# Altium PCB A PCB Christmas.PcbDoc (continued)
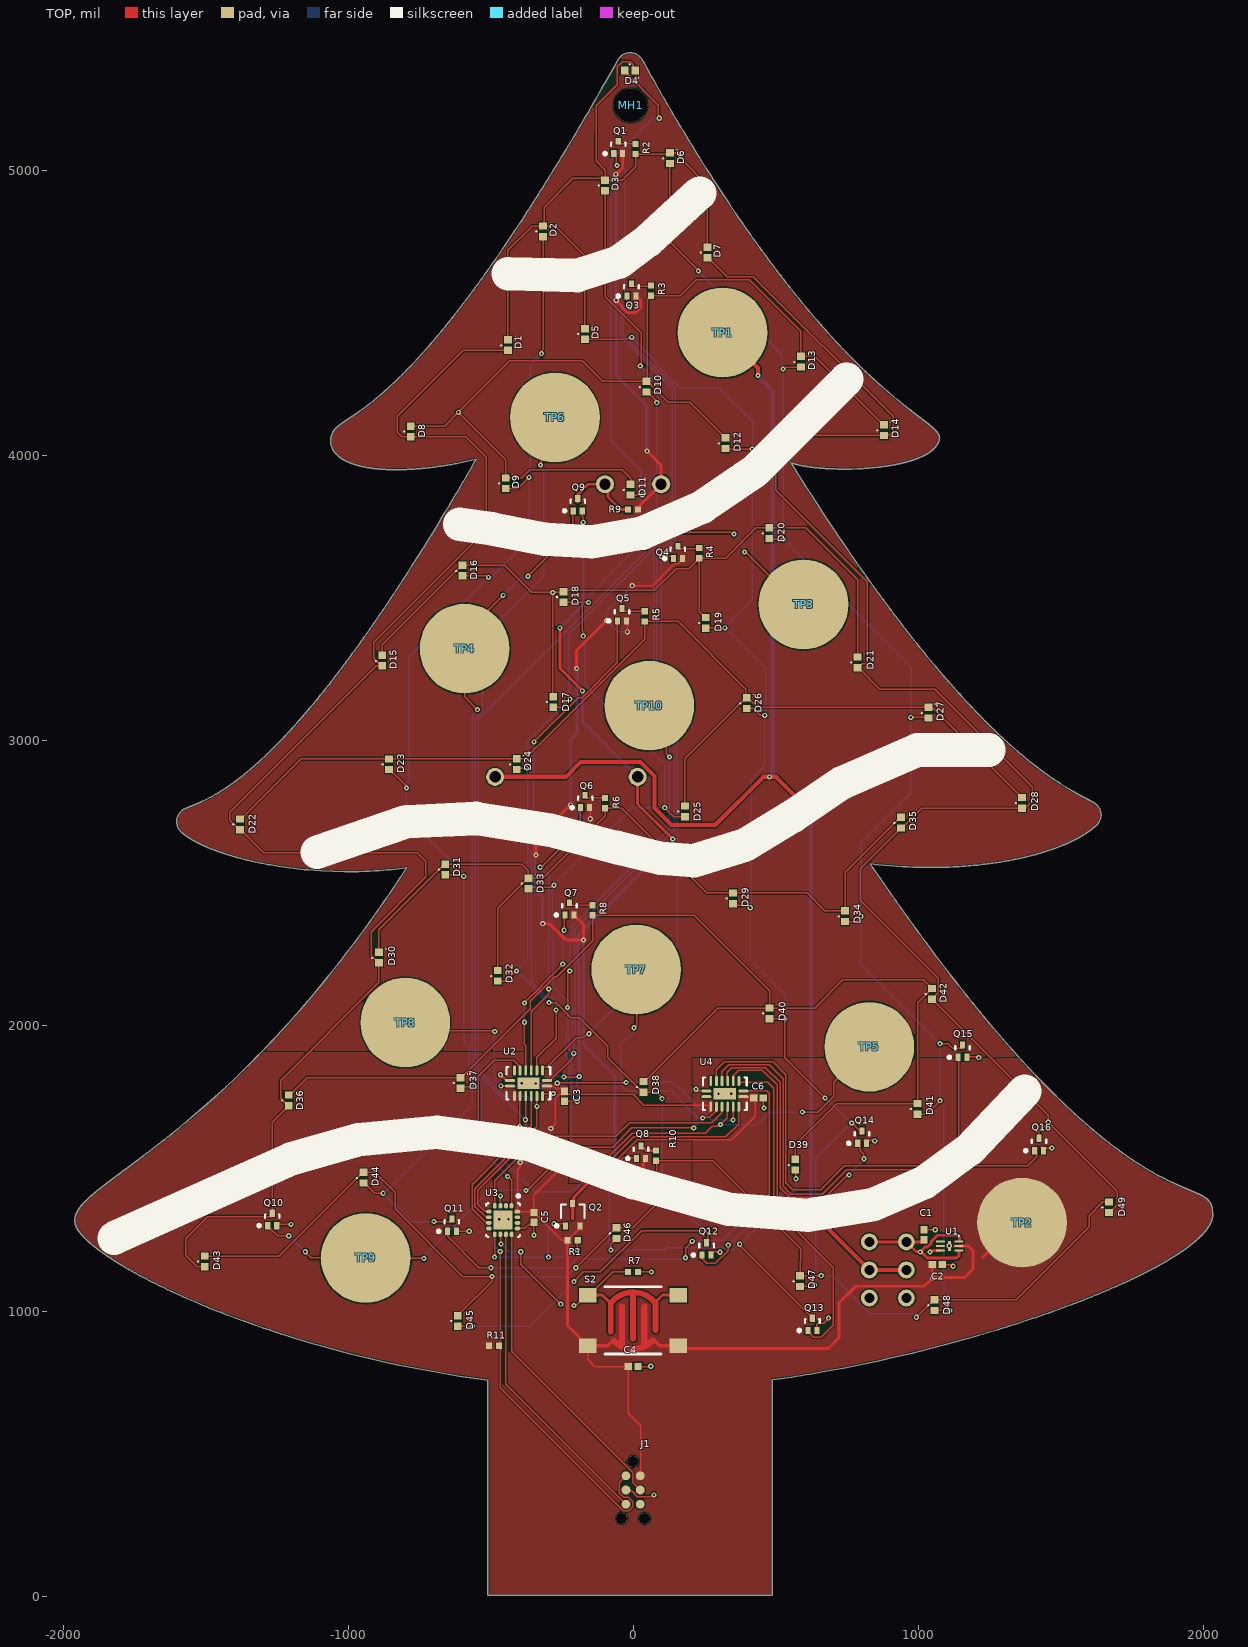
[diagram p0: TOP view]
## Part data
B1: library part 2479, Supplier Part Number=36-2479-ND, Voltage=4.5V, =Manufacturer Part Number=2479, Battery Series=AAA, Cells=3, Mounting Type=TH, Part Number=2479, Series=AAA, Supplier=Digi-Key, V=4.5V
C1 C2: library part CL05A105KO5NNNC, Capacitance=1uF, Manufacturer="Samsung Electro-Mechanics", Package=0402, Supplier Part Number=1276-1067-1-ND, Voltage=16V, Part Number=CL05A105KO5NNNC, Supplier=Digi-Key, Voltage Rating=16V
C3 C4 C5 C6: library part CL05A104KA5NNNC, Capacitance=100nF, Manufacturer="Samsung Electro-Mechanics", Package=0402, Supplier Part Number=1276-1043-1-ND, Voltage=25V, Part Number=CL05A104KA5NNNC, Supplier=Digi-Key, Voltage Rating=25V
D1 D2 D3 D4 D5 D6 D7 D8 D9 D10 D11 D12 D13 D14 D15 D16 D17 D18 D19 D20 D21 D22 D23 D24 D25 D26 D27 D28 D29 D30 D31 D32 D33 D34 D35 D36 D37 D38 D39 D40 D41 D42 D43 D44 D45 D46 D47 D48 D49: library part 16-219AUTD/S3151/TR8, Color=White, Supplier Part Number=1080-1571-1-ND, Colour=White, Forward=2.675V, Manufacturer Part Number=16-219AUTD/S3151/TR8, Mounting Type=SMD, Part Number=16-219AUTD/S3151/TR8, Size="1.00mm L x 0.50mm W", Vf=2.675V
J1: "No Clip 6 Pin Tag Connect", Manufacturer="Tag-Connect LLC", Mounting Type=SM, Part Number=TC2030-PKT-NL, Supplier=Digi-Key, Supplier Part Number="Tag-Connect LLC"
LS1: library part PS1240P02BT, Supplier Part Number=445-2525-1-ND, Voltage=3V, Driver Circuitry="Transducer, Externally Driven", Input Type="Zero-Peak Signal", Manufacturer Part Number=PS1240P02BT, Mounting Type=TH, Part Number=PS1240P02BT, Sound Pressure Level="60dB @ 3V, 10cm", SPL="60dB @ 3V, 10cm", Supplier=Digi-Key, V Max=30V, V Rated=3V
Q1 Q3 Q4 Q5 Q6 Q7 Q8: library part SSM3J35MFV,L3F, Manufacturer="Toshiba Semiconductor and Storage", Package=SOT-723, Supplier Part Number=SSM3J35MFVL3FCT-ND, FET Type=P-CH, Id=100mA, Manufacturer Part Number=SSM3J35MFV,L3F, Part Number=SSM3J35MFV,L3F, Supplier=Digi-Key, Type=P-CH, Vds=20V, Vgs (Max)=8V
Q2: library part SSM3J36TU,LF, Manufacturer="Toshiba Semiconductor and Storage", Package="3-SMD, Flat Leads", Supplier Part Number=SSM3J36TULFCT-ND, FET Type=P-CH, Id=330mA, Manufacturer Part Number=SSM3J36TU,LF, Part Number=SSM3J36TU,LF, Supplier=Digi-Key, Type=P-CH, Vds=20V, Vgs (Max)=8V
Q9 Q10 Q11 Q12 Q13 Q14 Q15 Q16: library part RUM001L02T2CL, Manufacturer="Rohm Semiconductor", Package=SOT-723, Supplier Part Number=RUM001L02T2CLCT-ND, FET Type=N-CH, Id=100mA, Manufacturer Part Number=RUM001L02T2CL, Part Number=RUM001L02T2CL, Supplier=Digi-Key, Type=N-CH, Vds=20V, Vgs (Max)=8V
R1 R7: library part RMCF0402FT10K0, Manufacturer="Stackpole Electronics Inc", Package=0402, Resistance=10kΩ, Supplier Part Number=RMCF0402FT10K0CT-ND, Package/Footprint=0402, Part Number=RMCF0402FT10K0, Supplier=Digi-Key
R2 R3 R4 R5 R6 R8 R10: library part ERJ-2RKF1240X, Manufacturer="Panasonic Electronic Components", Package=0402, Resistance=124Ω, Supplier Part Number=P124LCT-ND, Package/Footprint=0402, Part Number=ERJ-2RKF1240X, Supplier=Digi-Key
R9: library part RC0402FR-071RL, Manufacturer=Yageo, Package=0402, Resistance=1kΩ, Supplier Part Number=311-1.00LRCT-ND, Package/Footprint=0402, Part Number=RC0402FR-071RL, Supplier=Digi-Key
R11: library part RC0402FR-0710KL, "RES SMD 10K OHM 1% 1/16W 0402", Case Code (Imperial)=0402, Case Code (Metric)=1005, Manufacturer=Yageo, Max Operating Temperature=155°C, Min Operating Temperature=-55°C, Power Rating=62.5mW, Supplier Part Number 1=311-10.0KLRCT-ND, Temperature Coefficient=100ppm/°C, Tolerance=1%, Voltage Rating=50V, Case/Package=0402, Composition="Thick Film", Depth=0.5mm, Height=0.32mm, Lead Free="Lead Free", Lead Pitch=0.2mm, Length=1mm, Manufacturer Part Number=RC0402FR-0710KL, Military Standard=Not, Packaging="Tape and Reel", Part Number=RC0402FR-0710KL, Pricing 1="1=0.1, 10=0.014, 100=0.0056, 1000=0.0025, 2500=0.0022, 5000=0.0018 (USD)", REACH SVHC="No SVHC", Resistance=10k, Stock 1=14034353, Supplier 1=Digi-Key, Width=0.5mm
S1: Supplier Part Number=401-2001-ND, Function="Slide Switch", Manufacturer Part Number=JS202011CQN, Mouting Type=TH, Part Number=JS202011CQN, Supplier=Digi-Key
S2: library part PTS645SK50SMTR92LFS, "SWITCH TACTILE SPST-NO 0.05A 12V", Case/Package=SMD/SMT, Colour=Black, Contact Resistance=100mR, Current Rating=50mA, Manufacturer="ITT /  C&K Components", Manufacturer Part Number=PTS645SM43SMTR92LFS, Max Operating Temperature=60°C, Max Voltage Rating (DC)=12V, Min Operating Temperature=-20°C, Operating Force=160gf, Package Quantity=1000, Supplier Part Number=CKN9087CT-ND, Supplier Part Number 1=CKN9112CT-ND, Actuator Length=0.85mm, Actuator Material=Nylon,Polyamide, ComponentLink1Description=https://datasheet.ciiva.com/29903/getdatasheetpartid-786341-29903846.pdf, ComponentLink1URL=https://datasheet.ciiva.com/29903/getdatasheetpartid-786341-29903846.pdf, ComponentLink2Description=https://datasheet.ciiva.com/14920/pts645-14920733.pdf, ComponentLink2URL=https://datasheet.ciiva.com/14920/pts645-14920733.pdf, ComponentLink3Description=https://datasheet.ciiva.com/14920/pts645-14920734.pdf, ComponentLink3URL=https://datasheet.ciiva.com/14920/pts645-14920734.pdf, ComponentLink4Description=https://datasheet.ciiva.com/14920/pts645-14920735.pdf, ComponentLink4URL=https://datasheet.ciiva.com/14920/pts645-14920735.pdf, ComponentLink5Description=https://datasheet.ciiva.com/29931/getdatasheetpartid-764615-29931183.pdf, ComponentLink5URL=https://datasheet.ciiva.com/29931/getdatasheetpartid-764615-29931183.pdf, Contact Material=Silver, Contact Plating=Silver, Depth=9mm, Function="Tactile Switch", Illumination Type=Non-Illuminated,Illuminated, Lead Free="Lead Free", Length=6mm, Max Current Rating=50mA, Mechanical Life=100000Cycles, Mount="Surface Mount", Mouting Type=SM, Orientation=Straight, Packaging="Tape and Reel", Part Number=PTS645SK50SMTR92LFS, Pricing 1="1=0.15, 10=0.147, 25=0.1416, 50=0.1366, 100=0.129, 250=0.1214, 500=0.1164 (USD)", REACH SVHC="No SVHC", Stock 1=442768, Supplier=Digi-Key, Supplier 1=Digikey, Termination="Gull Wing", Throw Configuration=SPST, Voltage Rating (DC)=12V
TP1 TP2 TP3 TP4 TP5 TP6 TP7 TP8 TP9 TP10: library part ORNAMENTS, Part Number=ORNAMENTS
U1: Manufacturer="Microchip Technology", Package="6-UFDFN Exposed Pad", Supplier Part Number=576-4133-1-ND, Part Number=MIC5363-3.3YMT-TR, Supplier=Digi-Key
U2 U4: Manufacturer="Nexperia USA Inc.", Package="16-VFQFN Exposed Pad", Supplier Part Number=1727-2622-1-ND, Manufacturer Part Number=74HC595BQ-Q100,115, Part Number=74HC595BQ-Q100,115, Supplier=Digi-Key
U3: Manufacturer="Microchip Technology", Package="16-VFQFN Exposed Pad", Supplier Part Number=150-PIC16F15225-E/MG-ND, Manufacturer Part Number=PIC16F15225-E/MG, Part Number=PIC16F15225-E/MG, Supplier=Digi-Key
MH1: Function=3MM, Part Number=3MM_MH, Size=3MM

## Via types
v1: diameter 18, hole 8, TOP to BOT, tented top, 172 vias

## Nets (pads, with @x,y where several pads share a name; then routed paths per layer and width w, separated by ;. In a path a pad name is that pad's centre, name@x,y a point inside that pad or via, vN(x,y) a via of type N, cw(c..) or ccw(c..) an arc to the next point about the centre after c; other vN are vias at no path point)
+3V3: C2.2 C3.2 C4.2 C5.2 C6.2 J1.2 Q2.2 R1.2 R11.2 S2.1 S2.2 TP2.1 U1.5 U2.10 U2.16 U3.16 U4.10 U4.16 | length 5209.9
  TOP w5: v1(-448,1587) -416.21,1618.79 ; U3.16 U3.16@-405.03,1348.68 ; v1(-396,1521) -396,1505.37 -405.03,1496.34 U3.16@-405.03,1348.68 ; U2.16 -279.49,1789.16 -271.47,1781.14 -249.7,1781.14 -240,1771.43 C3.2 C3.2@-240,1769.86 ; v1(-289,1640) -273,1656 -273,1746.67 -259.51,1760.15 -249.7,1760.15 C3.2@-240,1769.86 ; R1.2 -250.35,1248 -328.3,1325.94 -328.3,1327.1 -332.69,1331.49 -333.85,1331.49 -337.51,1335.15 -338.3,1335.15 -348,1344.86 C5.2 C5.2@-348,1348.68 ; R1.2@-223.41,1254.31 -192.77,1284.95 -192.77,1292.12 Q2.2 ; S2.2 -158.46,830.54 -159,830 -134,805 C4.2 -17.32,642.06 27,597.74 27,424 J1.2 ; U4.10@271.79,1722.65 37.47,1722.65 -0.04,1760.15 -230.3,1760.15 C3.2@-240,1769.86 ; U4.16@381.04,1753.16 387.35,1753.16 391.51,1749 433.68,1749 429,1744.32 429,1683 347,1601 14,1601 -63,1524 -231,1524 -348,1407 C5.2@-348,1348.68 ; TP2.1@1348.05,1310 TP2.1 ; U3.16@-405.03,1348.68 C5.2@-348,1348.68
  TOP w10: R1.2@-222.27,1253.16 -227.42,1248 R1.2 -229.72,949.67 -183.98,903.93 -183.98,899.01 -163.39,878.42 S2.2 ; S2.1 167.88,869 686,869 723,906 723,1029 781,1087 1021,1087 v1(1050,1116) ; C2.2 1049.84,1162.84 1049.84,1116.16 v1(1050,1116) ; U1.5 1176.89,1228.25 1193,1212.14 1193,1147 1163,1117 1051,1117 v1(1050,1116) ; 1228.05,1190 TP2.1@1348.05,1310
  BOT w5: v1(-448,1587) -396,1535 v1(-396,1521) -341,1521 -290,1572 -290,1639 v1(-289,1640)
+VBAT: B1.1 S1.2 TP1.1 | length 4867
  TOP w15: B1.1 -235.89,2874.06 -183.95,2926 26.02,2926 75,2877.02 75,2765 135,2705 288,2705 457.06,2874.06 501.95,2874.06 624,2752 v1(624,2728.4) ; TP1.1 438,4309 v1(438,4282) ; v1(624,1349.04) 829.04,1144 S1.2@958.96,1144
  BOT w15: v1(438,4282) 438,4279 490,4227 490,2885.71 v1(478.35,2874.06) ; v1(624,1349.04) v1(624,2728.4)
+X: LS1.1 Q1.2 Q2.3 Q3.2 Q4.2 Q5.2 Q6.2 Q7.2 Q8.2 R9.2 | length 4896.2
  TOP w5: -161.11,2775.2 -161.11,2773.24 -158.61,2773.24 -150,2764.63 v1(-150,2727) ; -32.11,3430.2 -29.61,3430.2 -26.81,3427.4 -26.81,3414.84 -22.8,3414.84 -20,3412.04 v1(-20,3383) ; v1(-3,3545) 68.32,3545 144.36,3621.04 156.39,3621.04 172.07,3636.72 Q4.2@172.07,3639.89 ; Q3.2@8.87,4560.16 12.73,4556.31 16.69,4556.31 26,4547 ; 35.34,1516.34 38.41,1519.41 38.41,1532.22 Q8.2@44,1537.81
  TOP w10: v1(-341,2600) -341,2654 v1(-219,2776) ; v1(-317,2359) -293,2359 -240,2306 -239.76,2306 -235.76,2302 -225.84,2302 v1(-174,2302) -174,2356.09 -200.44,2382.54 -203.39,2382.54 -207.25,2386.39 Q7.2 ; -212,1323.33 -212,1352.37 Q2.3@-212,1371 ; Q2.3 -209.46,1379.77 -209.46,1397.54 -118.8,1488.2 v1(-64,1488.2) 35.34,1488.2 35.34,1516.34 ; v1(-198,3254) -198,3318 v1(-93,3423) ; v1(-61,4988) -36.36,5012.64 -36.36,5054.33 -37.21,5055.18 Q1.2@-39,5055.18 ; v1(-59,4546) -38.67,4525.67 -38.67,4521.8 -19.87,4503 10,4503 26,4519 26,4547 ; R9.2 23.54,3817.83 23.54,3826.12 LS1.1 98.43,3967.57 v1(49,4017)
  BOT w5: v1(-20,3383) -53,3383 v1(-93,3423) -93,3455 v1(-3,3545)
  BOT w10: v1(-341,2600) -345,2596 -345,2477.02 -317,2449.02 v1(-317,2359) ; v1(-198,3254) -197,3253 -197,3026.58 -219,3004.58 v1(-219,2776) -171.53,2728.53 -151.53,2728.53 v1(-150,2727) ; v1(-174,2302) -174,1935 -64,1825 v1(-64,1488.2) ; v1(-61,4988) -60,4987 -60,4547 v1(-59,4546) -59,4282.58 49,4174.58 v1(49,4017)
CLOCK: TP7.1 U2.11 U3.4 U4.11 | length 1943.4
  TOP w5: U3.4 -485.33,1456.67 v1(-367,1575) -72,1575 -4,1643 211,1643 212,1642 v1(213,1642) ; v1(-398,1647) -397.26,1647.74 -397.26,1752.99 U2.11 ; v1(3,1994) 12.41,2003.43 12.41,2196.59 TP7.1 ; v1(244,1677) 246.49,1679.49 267.49,1679.49 291.47,1703.47 U4.11@291.47,1722.65
  BOT w5: v1(-398,1647) -398,1606 v1(-367,1575) ; v1(3,1994) 2,1993 2,1982 -41,1939 -41,1789.93 -22,1770.93 134.07,1770.93 227.5,1677.5 243.5,1677.5 v1(244,1677) 244,1675 213,1644 v1(213,1642)
DAISY1: TP8.1 U2.9 U4.14 | length 1494.6
  TOP w5: TP8.1 -770.49,1983.49 -487.99,1983.49 v1(-485.5,1981) ; v1(-464,1790) -463.58,1789.58 -432.38,1789.58 U2.9 ; v1(-266,1799) -264.5,1800.5 -25.5,1800.5 v1(-24.34,1801.66) ; U4.14@350.53,1722.65 351.26,1721.91 351.26,1670.26 v1(351,1670)
  BOT w5: v1(-485.5,1981) -487,1979.5 -487,1813 v1(-464,1790) -414.57,1790 -406.07,1781.5 -283.5,1781.5 v1(-266,1799) ; v1(-24.34,1801.66) -24,1802 142.33,1802 273.83,1670.5 313.83,1670.5 314.33,1670 v1(351,1670)
DATA: TP3.1 U2.14 U3.6 | length 3574.7
  TOP w5: U3.6 -507.65,1330.65 -517.65,1330.65 -555,1368 -555,1428.67 -337.47,1646.19 v1(-337.47,1718) U2.14 ; v1(43,3680) 95,3732 344.48,3732 350.48,3726 v1(354,3726) ; v1(391,3663) 394.52,3663 578.52,3479 TP3.1
  BOT w5: v1(-337.47,1718) -371.3,1751.83 -449.16,1751.83 -545,1847.67 -545,3073.67 43,3661.67 v1(43,3680) ; v1(354,3726) 388,3692 388,3669 391,3666 v1(391,3663)
EN_MATRIX_n: Q2.1 R1.1 U3.9 | length 582.3
  TOP w5: v1(-486,1189) -485.33,1189.67 U3.9 ; v1(-278,1306) Q2.1@-237.59,1306 ; v1(-196,1214) -196,1246.28 R1.1
  BOT w5: v1(-486,1189) v1(-297,1189) ; v1(-278,1306) -297,1287 v1(-297,1189) ; v1(-196,1214) -196,1211 -218,1189 v1(-297,1189)
GND: B1.2 C1.1 C2.1 C3.1 C4.1 C5.1 C6.1 J1.3 Q9.2 Q10.2 Q11.2 Q12.2 Q13.2 Q14.2 Q15.2 Q16.2 R7.1 U1.3 U1.7 U2.8 U2.17 U3.13 U3.17 U4.8 U4.17 | length 3639.8
  TOP w5: Q10.2@-1248,1304 v1(-1200,1304) ; Q11.2@-615,1280 v1(-575,1280) ; v1(-470,1322) v1(-437,1322) ; U3.13 -380.37,1289.63 -364.78,1305.22 -353.78,1305.22 C5.1 v1(-348,1266) ; v1(-391,1799) U2.17 -343,1799 v1(-342,1798) ; v1(-243,1821) -191,1821 v1(-189,1823) ; C3.1 -201,1736 -200.57,1735.57 -196.43,1735.57 v1(-196,1736) ; Q9.2 -178.36,3787.53 -175,3784.16 v1(-175,3767) ; J1.3 -20.03,367.03 -2.55,367.03 15.47,349 69,349 72,352 72,354 v1(73,355) ; C4.1 61,805 v1(62,806) ; R7.1 v1(64,1137) ; v1(221,1778) 222,1778 227.16,1772.84 U4.8@260.96,1772.84 ; 264.89,1208.16 265.97,1207.08 303.92,1207.08 v1(305,1206) ; v1(300,1762) U4.17 v1(344,1762) ; C6.1 456,1746.68 456,1714.93 458.93,1712 v1(459,1712) ; Q13.2 644.75,952.17 650.49,957.91 668.91,957.91 v1(686,975) ; 809.89,1600.32 811.55,1598.66 846.34,1598.66 v1(848,1597) ; C1.1 v1(1060,1285) ; C2.1 1118,1163 1123,1158 v1(1123,1157) ; U1.7@1108,1229 v1(1109.5,1229) ; Q15.2 1172.99,1891.54 1196.94,1891.54 1196.99,1891.49 1210.51,1891.49 v1(1213,1889) ; 1430.89,1574.16 1440.84,1574.16 1444,1571 1468,1571 v1(1469,1572)
  TOP w10: v1(-465,1829) -464.76,1829 -444.6,1808.84 U2.8 ; v1(-257,3397) -257,3255 v1(-178,3176) ; B1.2@15.75,2885.92 B1.2 15.75,2779.25 v1(139,2656) ; v1(1042,1207) 1044.16,1207 1049.67,1212.5 U1.3
  BOT w5: v1(-342,1798) -319.74,1798 -294.74,1823 -245,1823 v1(-243,1821) ; v1(-196,1736) -196,1812.48 -189,1819.48 v1(-189,1823)
  BOT w10: v1(-257,3397) -175,3479 v1(-175,3767) ; v1(-189,1823) -189,2210.09 -193,2214.09 -193,2309.87 -190.89,2311.98 -190.89,2320.11 136,2647 136,2653 v1(139,2656) ; v1(-178,3176) -178,3067.8 B1.2
LATCH: TP6.1 U2.12 U3.5 U4.12 | length 3919.7
  TOP w5: U3.5 -507.31,1349.99 -520.99,1349.99 -544.97,1373.97 -544.97,1423.03 -355,1613 v1@-351.17,1613 ; v1(-378,1671) -377.42,1671.58 -377.42,1753.15 U2.12 ; v1(-351.17,1609.17) v1@-351.17,1613 ; v1(-325,3968) -322.51,3970.49 -322.51,4086.49 TP6.1 ; U4.12@311.16,1722.65 311.23,1722.57 311.23,1699.58 311.16,1699.5 311.16,1696.16 275.5,1660.5 -12.5,1660.5 -60,1613 v1@-351.17,1613
  BOT w5: v1(-351.17,1609.17) -351.17,1610.17 -378,1637 v1(-378,1671) -444.01,1737.01 -448.48,1737.01 -538,1826.52 -555,1843.52 -555,3077.81 -538,3094.81 -529.57,3103.24 -529.57,3362.43 -314,3578 -314,3957 v1(-325,3968)
MCLR: J1.1 R11.1 U3.3 | length 1523.6
  TOP w5: v1(-466,1209) -466,730.47 -34.53,299 -15.47,299 -2,312.47 -2,331.53 -17.47,347 -32.53,347 -48,362.47 -48,399 J1.1 ; U3.3 -465.65,1401.35 -465,1402 v1(-465,1404)
  BOT w5: v1(-466,1209) -489.5,1232.5 -489.5,1344.83 -465,1369.33 v1(-465,1404)
N1: Q10.1 TP9.1 U4.15 | length 1978.1
  TOP w5: Q10.1@-1287.59,1304.58 -1287.59,1301.41 -1275.39,1289.21 -1272.22,1289.21 -1247.01,1264 v1(-1208,1264) ; v1(-1150,1208) -1150,1206 -1130,1186 TP9.1 -937,1185 -735,1185 v1(-734,1184) ; v1(-376,1423) -376,1423.07 -373.07,1426 -369,1426 -261,1534 -75,1534 2,1611 326,1611 370.21,1655.21 U4.15@370.21,1722.65
  BOT w5: v1(-1208,1264) -1207,1264 -1151,1208 v1(-1150,1208) ; v1(-734,1184) -731.51,1186.49 -731.51,1194.49 -503,1423 v1(-376,1423)
N2: Q11.1 U4.1 | length 1773.3
  TOP w5: Q11.1@-653,1279.14 -651.14,1277.28 -651.14,1262.14 -541.55,1152.55 -499.55,1152.55 v1(-499,1152) ; v1(184,1187) 184,1221 v1(207.47,1244.47) ; U4.1@381.04,1772.84 468.28,1772.84 477.82,1763.31 477.82,1409.82 455,1387 v1(454,1387)
  BOT w5: v1(-499,1152) -228.67,1152 -197.67,1183 177,1183 181,1187 v1(184,1187) ; v1(207.47,1244.47) 211,1248 315,1248 v1(454,1387)
N3: Q12.1 U4.2 | length 911.5
  TOP w5: Q12.1@235,1203.85 235,1190 258.29,1166.71 289.05,1166.71 334,1211.67 v1(334,1231) ; U4.2@370.21,1803.35 471.65,1803.35 494,1781 494,1388 472,1366 v1(470,1366)
  BOT w5: v1(334,1231) 335,1231 v1(470,1366)
N4: Q13.1 U4.3 | length 1257.8
  TOP w5: U4.3@350.53,1803.35 350.53,1824.53 370,1844 454,1844 505,1793 505,1350 702.5,1152.5 702.5,949.5 661,908 632.82,908 619.61,921.21 607,933.82 Q13.1@607,938.12
N5: Q14.1 U4.4 | length 1056.9
  TOP w5: U4.4@330.84,1803.35 330.84,1838.07 346.77,1854 464,1854 516,1802 516,1432.86 549.86,1399 674,1399 752.93,1477.93 757.07,1477.93 v1(758,1477) ; 796.11,1600.32 797.47,1598.96 797.47,1562.53 810,1550 v1(810,1534)
  BOT w5: v1(758,1477) 758,1479.5 810,1531.5 v1(810,1534)
N6: Q15.1 U4.5 | length 1773.9
  TOP w5: U4.5@311.16,1803.35 311.16,1840.16 335,1864 477,1864 526,1815 526,1437 554,1409 663,1409 750,1496 1143.07,1496 1146,1493.07 v1(1146,1491) ; Q15.1@1142,1896.04 1142,1586 v1(1190,1538)
  BOT w5: v1(1146,1491) 1190,1535 v1(1190,1538)
N7: Q16.1 U4.6 | length 1668.5
  TOP w5: U4.6@291.47,1803.35 291.47,1846.47 319,1874 491,1874 536,1829 536,1450 560,1426 658,1426 741,1509 1385,1509 1417.11,1541.11 1417.11,1574.16
NetC1_2: C1.2 S1.1 U1.4 U1.6 | length 604.3
  TOP w10: S1.1@829.04,1242.43 S1.1@958.96,1242.43 ; 1016.52,1201.61 1032.13,1186 1135.15,1186 1143.01,1193.86 U1.4 ; C1.2@1029.59,1242.47 959,1242.47 S1.1@958.96,1242.43 ; U1.6 1143.94,1244 1145,1245.06 1145,1260.14 1139.14,1266 1068.49,1266 1046.12,1243.63 1046.12,1237.14 1032.98,1224 1025,1224 v1(1008,1207) 1006.47,1208.53 992.86,1208.53 S1.1@958.96,1242.43
NetD1_1: D1.1 D2.1 D3.1 D4.1 D5.1 D6.1 D7.1 R2.2 | length 2468.6
  TOP w5: D1.1 -439,4722 -354.3,4806.7 D2.1 ; D5.1 -169,4703 -272.7,4806.7 D2.1 ; D4.1 1.34,5358.36 1.34,5372.66 -9.93,5383.93 -37.07,5383.93 -55.44,5365.56 -55.44,5302.56 -129,5229 -129,5133 -130,5132 -130,5035 -98,5003 D3.1 ; D7.1 261,4950 168.34,5042.66 147.31,5063.69 D6.1 124.58,5059.28 R2.2 9,5015 -38.3,4967.7 D3.1 ; D2.1 -312.33,4810.37 -312.33,4873.33 -211.59,4974.06 -104.36,4974.06 D3.1
NetD1_2: D1.2 D8.2 D15.2 D22.2 D30.2 D36.2 D43.2 Q10.3 | length 5314.8
  TOP w5: D43.2 -1529.3,1155.3 -1570,1196 -1570,1254 -1493,1331 -1266,1331 -1266,1662.3 -1217.31,1710.99 -1217.31,1713.94 D36.2@-1210.95,1720.3 ; D36.2 D36.2@-1210.95,1720.3 ; D15.2 D15.2@-882.95,3263.6 ; D1.2 -595.4,4370.6 -827,4139 -827,4083 -811.3,4067.3 D8.2 -587.3,4067.3 -515,3995 -515,3741 -910,3346 -910,3290.65 D15.2@-882.95,3263.6 ; D36.2@-1210.95,1720.3 -1237,1746.35 -1237,1808.62 -892,2153.62 D30.2 -894.95,2221.6 -919,2245.65 -919,2331 -727,2523 -727,2578 -757,2608 -1295.45,2608 -1376.05,2688.6 D22.2 -1381.95,2688.6 -1414.93,2721.57 -1414.93,2750.07 -901.4,3263.6 D15.2@-882.95,3263.6
NetD2_2: D2.2 D9.2 D16.2 D23.2 D31.2 D37.2 D44.2 Q11.3 | length 4555.1
  TOP w5: D44.2 -943.05,1449.3 -906.75,1413 v1(-877,1413) ; D23.2 -853.05,2899.6 -797.49,2844.04 -797.49,2837.49 v1(-795,2835) ; v1(-699,1314) -697.5,1312.5 -637.5,1312.5 Q11.3@-636,1311 ; D31.2 -603.12,2530.6 -597.52,2525 v1(-594,2525) ; D37.2 -599.64,1787.66 -575.86,1787.66 -567.52,1796 v1(-564,1796) ; D16.2 -515.82,3579.3 -510.52,3574 v1(-507,3574) ; D9.2 -404.4,3885.6 v1(-365,3925) ; v1(-321,4359) -318.51,4361.49 -318.51,4370.49 -316,4373 D2.2
  BOT w5: v1(-699,1314) -778,1314 v1(-877,1413) -875,1413 -564,1724 -564,1797.33 -575,1808.33 -575,1929 -594,1948 v1(-594,2525) -593,2526 -593,2532 -795,2734 v1(-795,2835) -793.5,2836.5 -793.5,2851.5 -787,2858 -787,3294 v1(-507,3574) -504.57,3571.57 -500.43,3571.57 -365,3707 v1(-365,3925) -361,3929 -361,4319 v1(-321,4359)
NetD3_2: D3.2 D10.2 D17.2 D24.2 D32.2 D38.2 D45.2 Q12.3 | length 5627.7
  TOP w5: D45.2 -563.7,946.3 v1(-563,947) ; D32.2 -444.4,2157.6 v1(-409,2193) ; D24.2 -404.3,2904 v1(-372,2904) ; v1(-295,2082) -270.33,2082 -218.01,2029.67 -188.34,2029.67 -88.13,1929.46 -88.13,1888.77 22.75,1777.89 25.7,1777.89 D38.2 84.4,1767.6 96,1756 96,1754.52 102,1748.52 v1(102,1745) ; D17.2 -250.7,3118.3 v1(-222,3147) ; v1(-207,1103) -207,1104.07 -174.07,1137 -115,1137 30,1282 255.99,1282 258,1279.99 v1@258,1278 ; D3.2 -98,4559 28,4433 28,4322 25,4319 v1(25,4316) ; D10.2 49.95,4224.6 80.51,4194.04 80.51,4189.49 v1(83,4187) ; Q12.3@258,1227.84 Q12.3 262,1243.65 262,1275.99 259.99,1278 v1@258,1278 ; v1(262,1282) v1@258,1278
  BOT w5: v1(-563,947) -363,947 v1(-207,1103) ; v1(-295,2082) -297.68,2082 -408.68,2193 v1(-409,2193) -409,2194 -369,2234 -369,2878 -369,2882 -371,2884 -371,2998 v1(-222,3147) -222.07,3147 -225,3149.93 -225,3374.62 83,3682.62 83,3862.03 83,3862.26 82.98,3862.47 ccw(c78,3862.03) 80.34,3866.45 cw(c98.43,3901) 80.35,3935.55 ccw(c78,3939.97) 82.98,3939.53 83,3939.74 v1(83,4187) 86.52,4187 89.45,4189.93 90,4189.93 90,4251 v1(25,4316) ; v1(102,1745) 102,1428 245.51,1284.49 259.51,1284.49 v1(262,1282)
NetD4_2: D4.2 D11.2 D18.2 D25.2 D33.2 D39.2 D46.2 Q13.3 | length 6384.1
  TOP w5: D33.2 -360.64,2487.66 -287.36,2487.66 -281.02,2494 v1(-277.5,2494) ; D18.2 -243.4,3486 -179,3486 ; v1(-174.93,3367.93) -176.5,3369.5 -176.5,3384.43 -179,3386.94 -179,3486 ; v1(-156,3486) -179,3486 ; v1(-78,1214) -78,1234.6 -67.31,1245.29 -67.31,1248.24 -60.95,1254.6 D46.2 ; D4.2 -29.7,5349.05 89,5230.35 89,5187.93 91.93,5185 v1(92,5185) ; D11.2 -8.7,3863 v1(32,3863) ; v1(111,2766) 142,2735 181.6,2735 D25.2 ; v1(374,1234) 374,1231 619.69,985.31 619.69,966.41 ; D39.2 571,1492.6 v1(571,1464)
  BOT w5: v1@-281.35,2495.65 -275.85,2495.65 -5.5,2766 v1(111,2766) 111,2916.74 -170,3197.74 -170,3348.93 -172.5,3351.43 -172.5,3365.5 v1(-174.93,3367.93) ; v1(-277.5,2494) -279.99,2491.51 -279.99,2478.01 -283,2475 -283,2296.41 -279.5,2292.91 -279.5,2137.83 -213.5,2071.83 -213.5,1981.86 -224.5,1970.86 -224.5,1897.17 -216.5,1889.17 -216.5,1602.5 -84,1470 -84,1218 -80,1214 108.93,1214 117.43,1222.5 319.17,1222.5 327.17,1214.5 354.5,1214.5 373,1233 375,1233 571,1429 v1(571,1464) ; v1(-156,3486) -156,3509 26,3691 26,3853.57 32,3859.57 v1(32,3863) 29.51,3865.49 29.51,3946.49 -77.5,4053.5 -77.5,5037.83 69.67,5185 v1(92,5185)
NetD5_2: D5.2 D12.2 D19.2 D26.2 D29.2 D40.2 D47.2 Q14.3 | length 4544.4
  TOP w5: D5.2 -23.76,4409.3 -19.31,4413.75 -7.25,4413.75 v1(-4.76,4416.24) ; D19.2 256,3397 v1(322,3397) ; D12.2 326.3,4024 v1(418,4024) ; D29.2 357.36,2422.94 399.54,2422.94 407.48,2415 v1(411,2415) ; D26.2 421.25,3114.3 445.5,3090.05 v1(462,3090) v1(462,3090) ; D40.2 479.6,2025 v1(533,2025) 533,1888 v1(674,1747) ; D47.2 628.78,1086.3 633.48,1091 v1(637,1091) ; v1(767,1660) 796.52,1630.48 796.52,1623.41 799.93,1620 Q14.3@803,1620
  BOT w5: v1(-4.76,4416.24) 81.51,4329.97 81.51,4320.78 165.28,4237 303,4237 419,4121 419,4025 v1(418,4024) 418,3496 322,3400 v1(322,3397) 465,3254 465,3092.93 462.07,3090 v1(462,3090) 462,2912.86 414,2864.86 414,2419 411,2416 v1(411,2415) 411,2234 537,2108 537,2027.93 534.07,2025 v1(533,2025) ; v1(637,1091) 641,1095 641,1534 v1(767,1660) 764,1660 677,1747 v1(674,1747)
NetD6_2: D6.2 D13.2 D20.2 D27.2 D34.2 D41.2 D48.2 Q15.3 | length 5059.5
  TOP w5: D6.2 129,4751 229,4651 v1(229,4649) ; D20.2 481.3,3707 v1(527,3707) ; v1(526,4305) 529.52,4305 536.52,4312 D13.2 ; D34.2 781.6,2366.6 v1(800,2385) ; v1(974,3083) 1034,3083 D27.2 ; D41.2 1029.6,1690.6 v1(1077,1738) ; D48.2 v1(1112,1002) ; v1(1077,1938) 1105.67,1938 1121.98,1921.68 Q15.3@1155.89,1921.68
  BOT w5: v1(229,4649) 521,4357 521,4307.93 523.93,4305 v1(526,4305) 526,3708 v1(527,3707) 976,3258 976,3085 v1(974,3083) 974,2819.24 800,2645.24 v1(800,2385) 800,2215 v1(1077,1938) v1(1077,1738) 1089.5,1725.5 1089.5,1028.5 1110,1008 1110,1004 v1(1112,1002)
NetD7_2: D7.2 D14.2 D21.2 D28.2 D35.2 D42.2 D49.2 Q16.3 | length 5502.1
  TOP w5: D7.2 263.95,4695.3 330.25,4629 422,4629 912,4139 912,4087 897,4072 D14.2 589,4072 501,3984 501,3880 822,3559 822,3276.93 815.5,3270.43 804.38,3270.43 D21.2@790.95,3257 ; D21.2 D21.2@790.95,3257 ; Q16.3@1424,1593.84 1424,1630 v1(1456.5,1662.5) ; D49.2 1672.95,1345.3 1699,1371.35 1699,1420 v1(1456.5,1662.5) ; D21.2@790.95,3257 865.95,3182 1058,3182 1400,2840 1400,2788 1381.14,2769.14 1370.14,2769.14 D28.2 1012.35,2764 942.95,2694.6 D35.2 937.05,2694.6 930.69,2688.24 930.69,2685.29 797,2551.6 797,2442 1071,2168 1071,2116.3 1058.31,2103.61 1058.31,2100.66 1051.95,2094.3 D42.2 1049.98,2094.3 1060.28,2084 1060.28,2083.02 1456.5,1686.8 v1(1456.5,1662.5)
NetD8_1: D8.1 D9.1 D10.1 D11.1 D12.1 D13.1 D14.1 R3.2 | length 3503.5
  TOP w5: D8.1 -661.3,4104.7 v1(-613,4153) ; D11.1 -9,3922 -38,3951 -362.33,3951 -390.33,3923 D9.1 -447,3987 v1(-613,4153) ; D12.1 321.05,4063.7 314.69,4070.06 314.69,4073.01 198.7,4189 122.95,4189 D10.1@49.95,4262 ; D14.1 877.05,4109.4 637.05,4349.4 D13.1 589,4438 408,4619 222,4619 165.28,4562.28 R3.2 49.95,4549.24 D10.1@49.95,4262 ; v1(-613,4153) -432,4334 -178.66,4334 -106.66,4262 D10.1 D10.1@49.95,4262
NetD15_1: D15.1 D16.1 D17.1 D18.1 D19.1 D20.1 D21.1 R4.2 | length 2885.3
  TOP w5: D15.1 -880,3337.65 -600.95,3616.7 D16.1 -597.3,3616 -450,3616 -355,3521 v1(-282,3521) ; D17.1 -282,3157.7 v1(-282,3521) ; D19.1 252.05,3433.4 232,3453.45 R4.2 ; D21.1 788,3565 605.3,3747.7 D20.1 430.7,3747.7 324.28,3641.28 R4.2 ; v1(-282,3521) -247,3521 -239.5,3528.5 74.82,3528.5 151.32,3605 195.72,3605 223.67,3632.96 R4.2
NetD22_1: D22.1 D23.1 D24.1 D25.1 D26.1 D27.1 D28.1 R5.2 | length 3811
  TOP w5: D22.1 -1376.05,2726 -1165.05,2937 D23.1 -380.05,2937 -290.86,3026.19 -290.33,3026.19 41,3357.52 R5.2 158.43,3419.57 396.05,3181.95 396.05,3157.61 400.48,3153.18 435.25,3118.4 D27.1 1040.38,3114.02 1052.38,3114.02 1355.69,2810.71 1355.69,2807.76 1362.05,2801.4 D28.1 ; D25.1 182,2937.65 396.05,3151.7 D26.1
NetD29_1: D29.1 D30.1 D31.1 D32.1 D33.1 D34.1 D35.1 R6.2 | length 2894.1
  TOP w5: D30.1 -892,2337.95 -661.95,2568 -390,2568 -367,2545 D33.1 ; D32.1 -475,2413.65 -369.95,2518.7 D33.1 ; D35.1 937.05,2732 744,2538.95 D34.1 673,2404 610.3,2466.7 D29.1 258.3,2466.7 -39.28,2764.28 R6.2 -98,2737 -316.3,2518.7 D33.1
NetD36_1: D36.1 D37.1 D38.1 D39.1 D40.1 D41.1 D42.1 R8.2 | length 4327
  TOP w5: D36.1 -1205.05,1757.7 -1144.05,1818.7 -603.05,1818.7 -361,2060.75 -361,2087 -312.26,2135.74 -312.26,2136.53 -275.44,2173.35 -267.32,2173.35 -142,2298.67 R8.2 214.72,2388.28 479,2124 D40.1 ; D38.1 38.95,1805 296.95,2063 D40.1 ; D39.1 569,1583 714,1728 D41.1 998,2080.7 1039.69,2122.39 1039.69,2125.34 1046.05,2131.7 D42.1 1018.7,2162 736,2162 637,2063 D40.1
NetD43_1: D43.1 D44.1 D45.1 D46.1 D47.1 D48.1 D49.1 R10.2 | length 4414.2
  TOP w5: D43.1 -1242.95,1192.7 -959.25,1476.41 -957.28,1476.41 -948.95,1484.73 -948.95,1486.7 -905.7,1486.7 -835,1416 -835,1359 -597,1121 v1(-495,1121) -495,1103.7 -605.69,993.01 -605.69,990.06 -612.05,983.7 D45.1 ; v1(-201,1152) -60.95,1292 D46.1 -2,1292 83,1377 83,1527.28 279.72,1527.28 587.93,1219.07 587.93,1175.53 586,1173.6 D47.1 586.3,1124 v1(660,1124) ; v1(994,978) 994,978.35 1055.05,1039.4 D48.1 1344.4,1039.4 1600,1295 1600,1335 1647.7,1382.7 D49.1
  BOT w5: v1(-495,1121) -494,1120 -233,1120 v1(-201,1152) ; v1(660,1124) 698.25,1124 832.25,990 996,990 996,980 v1(994,978)
NetLS1_2: LS1.2 Q9.3 R9.1 | length 286.1
  TOP w10: Q9.3@-194.11,3838.69 -194.11,3864.89 -158,3901 LS1.2 -88.29,3890.86 -88.29,3855.57 -44.72,3812 R9.1@-19,3812 ; R9.1 -11.89,3809.53 -16.06,3807.86 R9.1@-17.46,3807.3
NetQ1_3: Q1.3 R2.1 | length 63.5
  TOP w5: Q1.3@-52.11,5095.59 -0.13,5095.59 R2.1@8,5103.72
NetQ3_3: Q3.3 R3.1 | length 69.8
  TOP w5: Q3.3@-5.89,4595.59 60.87,4595.59 R3.1
NetQ4_3: Q4.3 R4.1 | length 75.8
  TOP w5: Q4.3@157,3674.8 230.08,3674.8 R4.1
NetQ5_3: Q5.3 R5.1 | length 80.3
  TOP w5: Q5.3@-39,3455.8 40.2,3455.8 R5.1
NetQ6_3: Q6.3 R6.1 | length 70.4
  TOP w5: Q6.3@-168,2800.8 -99.08,2800.8 R6.1
NetQ7_3: Q7.3 R8.1 | length 81
  TOP w5: Q7.3@-223,2423.8 -142.08,2423.8 R8.1
NetQ8_3: Q8.3 R10.1 | length 62.2
  TOP w10: Q8.3@28.36,1580.64 28.36,1575.34 31.86,1571.84 37.16,1571.84 45.64,1563.36 79.36,1563.36 R10.1
NetQ9_1: Q9.1 TP4.1 U3.1 | length 2698.6
  TOP w5: v1(-546.07,3110.07) -591,3155 -591,3376 v1(-456,3511) ; v1(-440,1472) -439,1471 -438,1471 -426.28,1459.28 U3.1 ; v1(-369,3578) -212,3735 Q9.1@-212,3814.15
  BOT w5: v1(-546.07,3110.07) -565,3091.14 -565,1839.38 -533,1807.38 -533,1565 v1(-440,1472) ; v1(-456,3511) -396,3571 -375,3571 -369,3577 v1(-369,3578)
OE_n: TP5.1 U2.13 U3.7 U4.13 | length 2078.3
  TOP w5: U3.7 -507.68,1310.99 -516.99,1310.99 -565,1359 -565,1443 v1(-415,1593) -414,1593 -357.16,1649.84 U2.13 ; v1(-366,1544) -83,1544 -3,1624 253.14,1624 277.14,1648 297.57,1648 303.57,1654 v1(307,1654) ; v1@307,1655 330.84,1678.84 330.84,1699.5 330.92,1699.58 330.92,1709.46 U4.13@331.84,1710.39 ; v1(594,1698) 648.33,1698 704.04,1753.71 704.04,1802.04 TP5.1
  BOT w5: v1(-415,1593) v1(-366,1544) ; v1(307,1654) 307.5,1653.5 436.49,1653.5 480.99,1698 v1(594,1698)
P1: Q1.1 TP10.1 U2.15 | length 3904.4
  TOP w5: U2.15 -317.79,1760.76 -315.55,1763 v1(-280,1763) v1@-284.35,1758.65 ; v1(-230,2065) -230,2183 v1@-222.49,2190.51 ; -59,5070 -59,5028.86 -58.92,5028.79 -58.92,5021.92 v1(-56.43,5019.44) ; TP10.1 116,3065 116,2955.83 127.5,2944.33 v1(127.5,2944)
  BOT w5: v1(-280,1763) -277.67,1763 -226.5,1814.17 -226.5,1885.02 -234.5,1893.02 -234.5,1975 -230,1979.5 v1(-230,2065) ; v1(-222,2193) -222,2292.67 -215.5,2299.17 -215.5,2322.5 -213.39,2324.61 -213.39,2350.11 127.5,2691 127.5,3124 72.5,3179 72.5,3657.98 91.17,3676.64 107.5,3676.64 137.42,3706.56 137.42,4236.58 -44,4418 -44,4537.67 -30,4551.67 -30,5010.07 -39.36,5019.44 v1(-56.43,5019.44)
P2: Q3.1 U2.1 | length 3104.5
  TOP w5: U2.1 -290.16,1808.84 -210.49,1888.51 -210.49,1901.51 v1(-208,1904) ; Q3.1@-22,4569.19 -22,4532 v1(-12,4522)
  BOT w5: v1(-208,1904) -208,1973.22 -203.5,1977.72 -203.5,2206.91 -205.5,2208.91 -205.5,2315.05 -203.39,2317.16 -203.39,2341.11 144,2688.5 144,3135.92 82.5,3197.42 82.5,3653.83 92.17,3663.5 108.5,3663.5 148,3703 148,4240.14 -34,4422.14 -34,4496 -23.44,4506.56 -23.44,4510.1 -12,4521.54 v1(-12,4522)
P3: Q4.1 U2.2 | length 2096.9
  TOP w5: U2.2 -317.79,1852.33 -315.55,1854.57 -302.57,1854.57 -198.5,1958.64 -178.36,1958.64 -172.94,1964.06 -167.45,1964.06 -158.52,1973 v1(-155,1973) ; v1(99,3647) 100.1,3648.1 Q4.1@148.65,3648.1
  BOT w5: v1(-155,1973) 155.5,2283.5 155.5,3155.57 99,3212.07 v1(99,3647)
P4: Q5.1 U2.3 | length 1796.1
  TOP w5: v1(-348,2997) -193.15,3151.85 -178.82,3151.85 -54.75,3275.92 Q5.1@-54.75,3430.33 ; U2.3 -337.47,1889.53 -270,1957 v1(-270,2056)
  BOT w5: v1(-348,2997) -348,2616.33 -357.5,2606.83 -357.5,2155.96 -303.03,2101.5 -295.84,2101.5 -282.5,2101.5 -270,2089 v1(-270,2056)
P5: Q6.1 U2.4 | length 1029.5
  TOP w5: U2.4 -357.16,2050.45 -295.76,2111.85 v1(-295.76,2129.7) ; v1(-326,2557) -323,2557 -185,2695 Q6.1@-185,2775.69
  BOT w5: v1(-326,2557) -295.76,2526.76 v1(-295.76,2129.7)
P6: Q7.1 U2.5 | length 612.1
  TOP w5: v1(-381,2013) -381,1934.77 -376.84,1930.61 U2.5 ; v1(-381,2081) -381,2081.14 -322.26,2139.88 -322.26,2140.67 v1@-248.5,2214.43 ; v1(-242,2336) -242,2394.58 Q7.1@-238,2398.58
  BOT w5: v1(-381,2013) v1(-381,2081) ; v1(-247,2217) -247,2327.48 -242,2332.48 v1(-242,2336)
P7: Q8.1 U2.6 | length 1092.1
  TOP w5: v1(-490,1563) -493,1563 -543,1613 -543,1824 -487,1880 -419.46,1880 -396.53,1857.07 U2.6 ; v1(-137.93,1495.93) -119.87,1514 -58.86,1514 -34.45,1538.41 Q8.1@13.25,1538.41
  BOT w5: v1(-490,1563) -345,1418 -212,1418 -176.21,1453.79 -176.21,1457.66 v1(-137.93,1495.93)
PGC: J1.5 U3.11 | length 1121.3
  TOP w5: U3.11 -445.96,742.96 J1.5
PGD: J1.4 U3.12 | length 1083.9
  TOP w5: U3.12 -426.28,858.28 -2,434 -2,399 J1.4
SWITCH: R7.2 S2.3 S2.4 U3.10 | length 639.5
  TOP w5: U3.10 -464.32,1267.64 -464.32,1236.32 v1(-463,1235) ; v1(-394,1208) -394,1164 v1(-254,1024) ; v1(-207,1019) -204.51,1021.49 -197.48,1021.49 -163.39,1055.58 S2.4 ; S2.4@-132.95,1076.17 -72.13,1137 R7.2
  TOP w10: S2.4@-153.54,1055.58 S2.4@-132.95,1076.17
  BOT w5: v1(-463,1235) -436,1208 v1(-394,1208) ; v1(-254,1024) -250.48,1024 -245.48,1019 v1(-207,1019)
pads on no net: J1. J1.6 MH1.1 S1.3 U1.1 U1.2 U2.7 U3.2 U3.8 U3.14 U3.15 U4.7 U4.9

## Polygon pours and split planes (outlines as drawn)
+X on TOP "+X_L01_P006" (solid, pour order 6): 2915,-371 -1523,-371 -1959,65 -1959,6081 780,6081 1010,5851
+3V3 on TOP "TOP-+3V3" (solid, pour order 4): -1959,646 -1959,1912 -1364,1912 -1358,1906 -1356.5,1907.5 -229.5,1907.5 -229.5,1445.5 -228,1444 209,1444 209,1887 1615,1887 2199,1303 498,-398 -1354,-398 -1516,-236
GND on BOT "GND_L02_P005" (solid, pour order 5): 2820,-387 2764,-331 -1959,-331 -1959,6089 -1935,6065 1153,6065

## Silkscreen, mask and mechanical layers (free items; w line width, h text height)
Top Overlay:
  lines w118.11: -1820.86,1255.69 -1198.6,1533.96 -964.63,1601.32 -688.19,1627.13 -367.13,1585.61 0.73,1450.98 335.22,1356.62 612.58,1335.87 839.04,1372.51 1020.78,1450.32 1178.93,1566.3 1374.44,1771.53 ; -1107.63,2609.9 -793.75,2717.1 -550.09,2727.84 -289.63,2686.96 -57.25,2626.12 95.53,2588.58 213.89,2579.78 389.66,2633.85 560.81,2737 731.78,2852.44 997.57,2968.18 1247,2968.18 ; -608.69,3760.21 -495.21,3744.16 -306.13,3707.21 -147.03,3698.46 32.4,3729.5 242.3,3820.44 425.37,3945.37 749,4269 ; -437.92,4639.33 -196.17,4633.32 -50.06,4679.95 52.45,4755.6 233.69,4922.25